# KiCad board GDI-STM.kicad_pcb (continued)
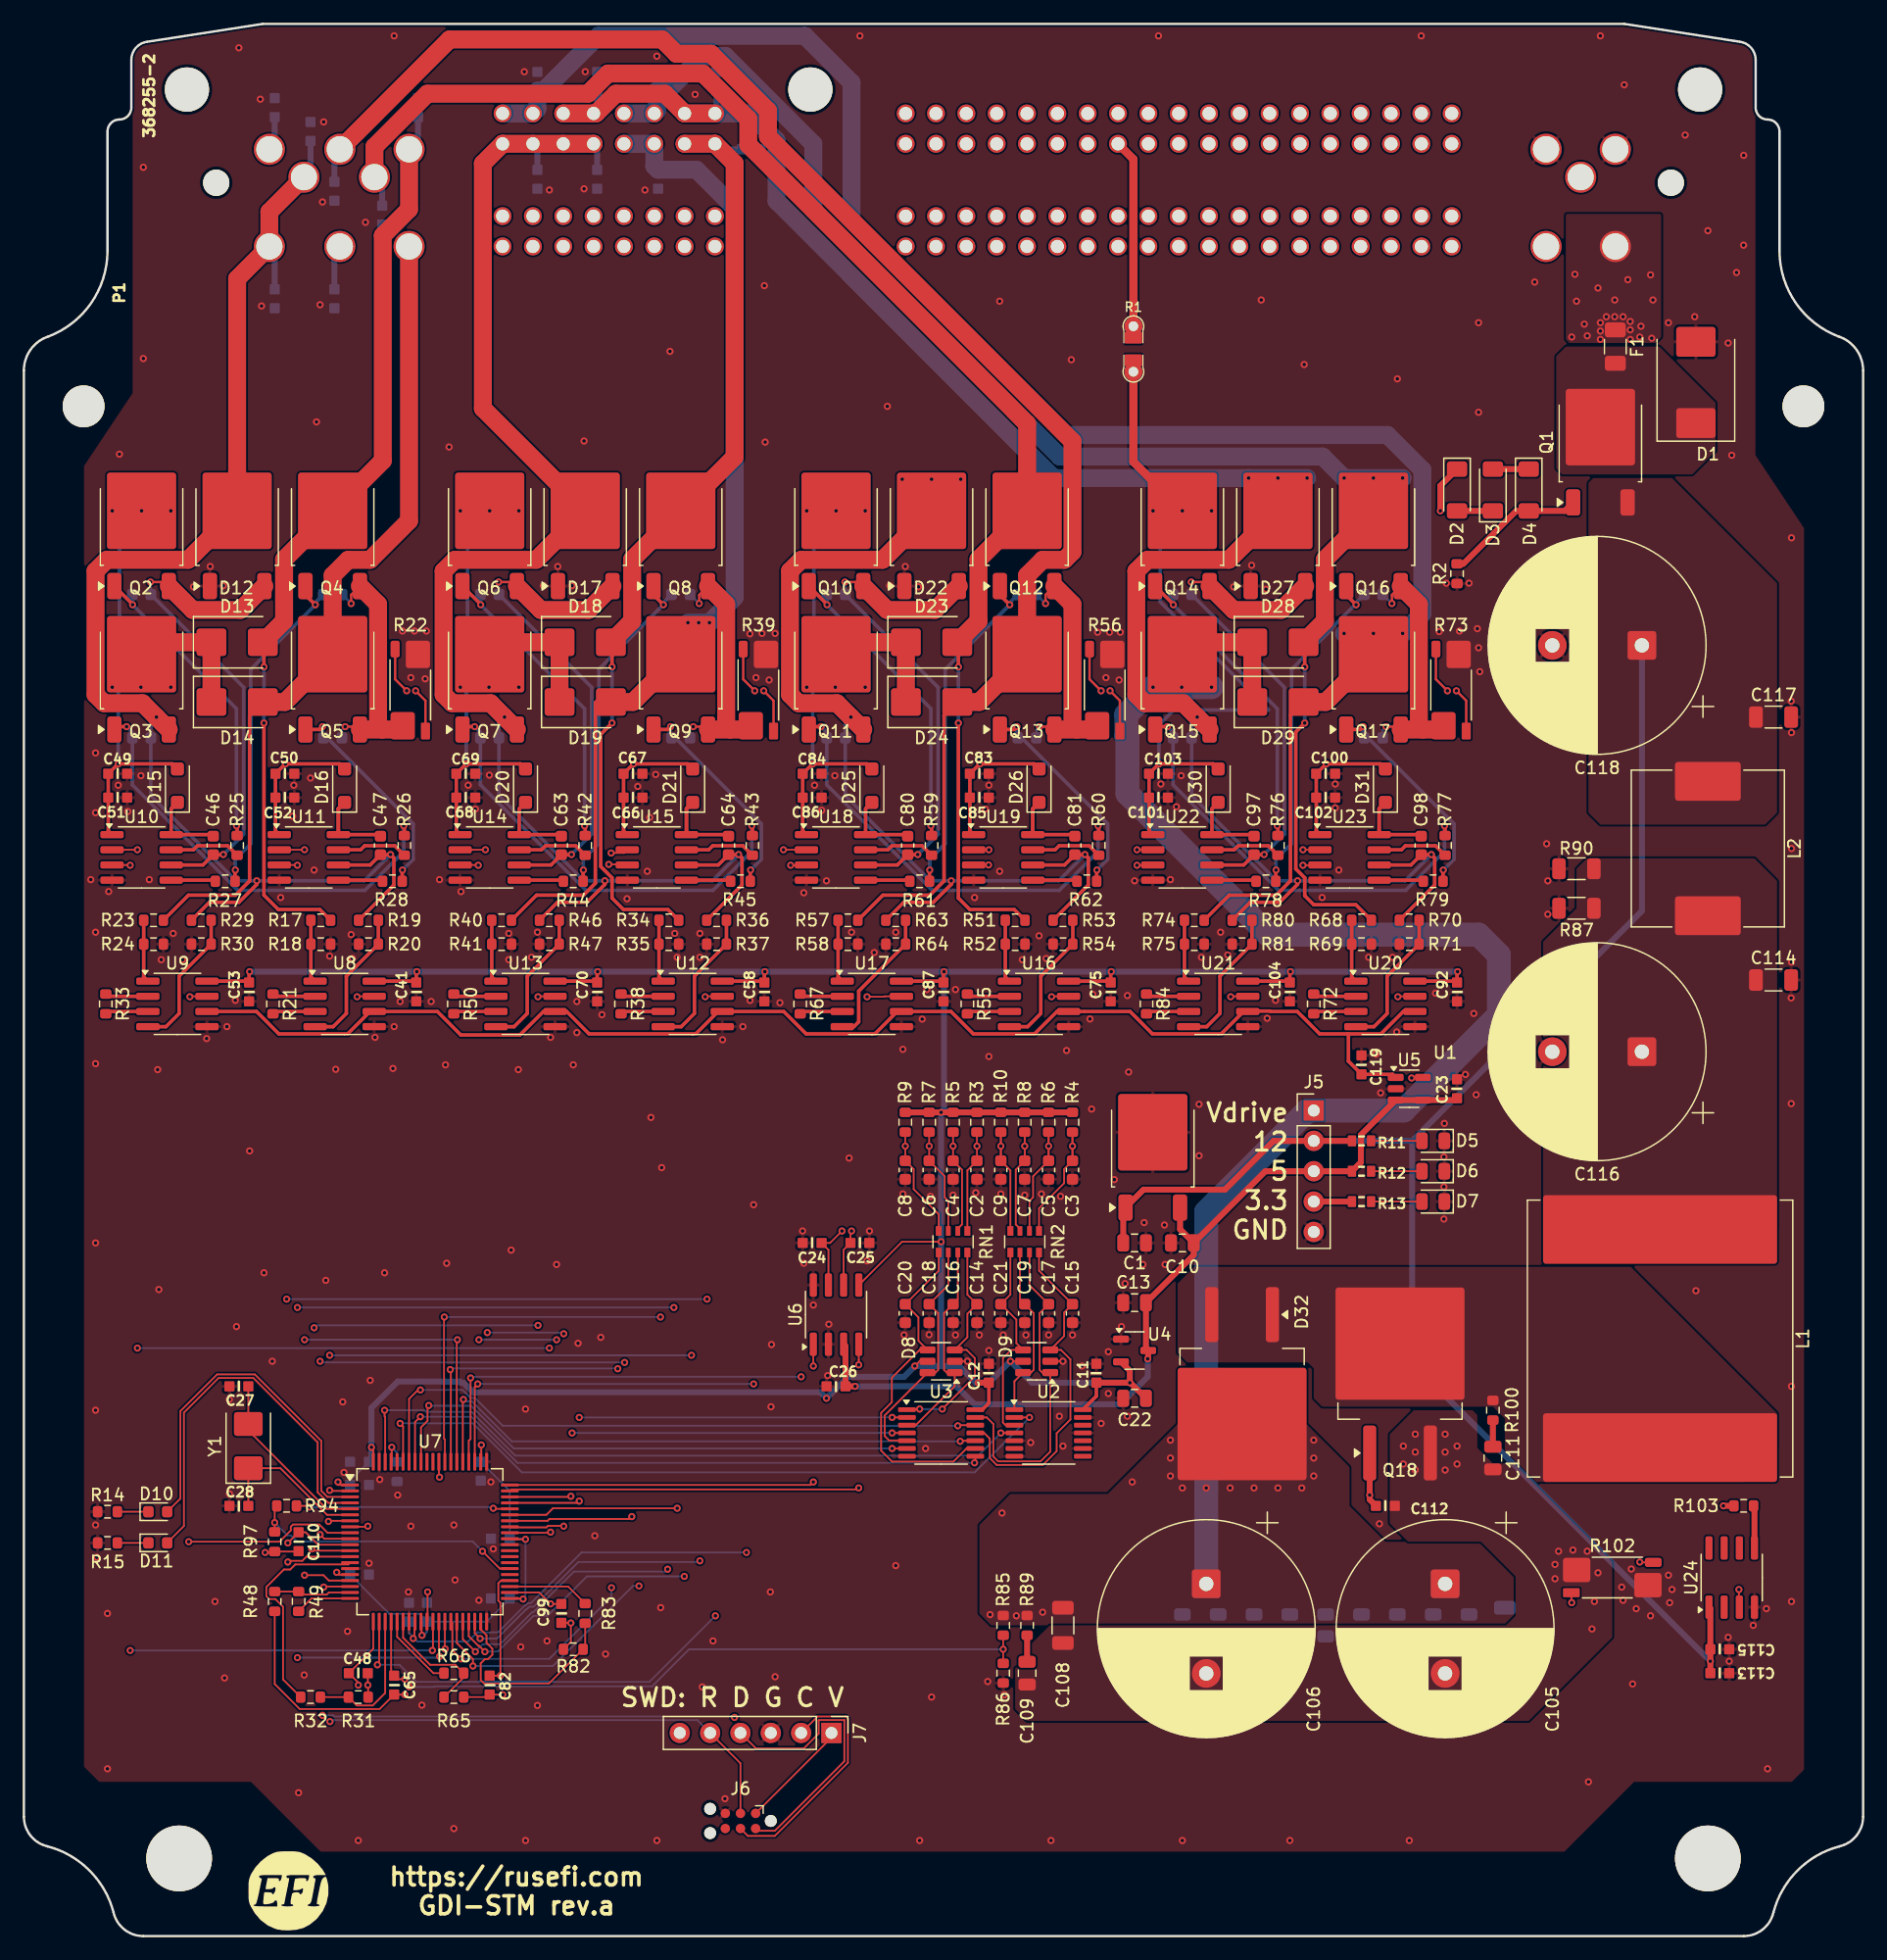
[diagram p0: board, top side]
## Library data of the parts
C1 C10 C13 C22 = -: LCSC: C15850
C2-C9 C14-C21 C42-C45 C59-C62 C76-C79 C93-C96 = -: LCSC: C106247; ki_fp_filters: C_*
C11 C12 C23 C26 C29 C31-C36 C41 C51-C53 C58 C68-C70 C75 C85-C87 C92 C102-C104 C115 C119 = -: LCSC: C14663
C24 C25 = -: LCSC: C1671
C27 C28 = -: LCSC: C38523
C30 = -: LCSC: C19666
C37-C40 C54-C57 C71-C74 C88-C91 = -: LCSC: C327158
C46 C47 C63 C64 C80 C81 C97 C98 = -: LCSC: C1615; ki_fp_filters: C_*
C48 C65 C82 C99 C110 = -: LCSC: C576850
C49 C50 C66 C67 C83 C84 C100 C101 C113 = -: LCSC: C15849
C105 C106 = -: LCSC: C160144; ki_fp_filters: CP_*
C107 C108 C114 C117 = -: LCSC: C106048; ki_fp_filters: C_*
C109 C111 = -: LCSC: C113837; ki_fp_filters: C_*
C112 = -: LCSC: C326973
C116 C118 = -: LCSC: C106661; ki_fp_filters: CP_*
D1 = -: LCSC: C151904; ki_fp_filters: TO-???* *_Diode_* *SingleDiode* D_*
D2-D4 = -: Datasheet: https://datasheet.lcsc.com/szlcsc/Semtech-ZMM5V6_C8062.pdf; LCSC: C7497481; ki_fp_filters: TO-???* *_Diode_* *SingleDiode* D_*
D5-D7 = -: Description: Light emitting diode, small symbol; LCSC: C2296; Sim.Pin: 1=K 2=A; ki_fp_filters: LED* LED_SMD:* LED_THT:*
D8 D9 = -: LCSC: C85364; ki_fp_filters: SOT?363*
D10 = -: Description: Light emitting diode; LCSC: C12624; Sim.Pins: 1=K 2=A; ki_fp_filters: LED* LED_SMD:* LED_THT:*
D11 = -: Description: Light emitting diode; LCSC: C2286; Sim.Pins: 1=K 2=A; ki_fp_filters: LED* LED_SMD:* LED_THT:*
D12 D17 D22 D27 = -: LCSC: C459529
D13 D14 D18 D19 D23 D24 D28 D29 = -: LCSC: C382826; ki_fp_filters: TO-???* *_Diode_* *SingleDiode* D_*
D15 D16 D20 D21 D25 D26 D30 D31 = -: Description: Diode; LCSC: C719809; ki_fp_filters: TO-???* *_Diode_* *SingleDiode* D_*
D32 = -: Description: Schottky diode, anode on pins 1 and 3; LCSC: C181034; ki_fp_filters: TO-???* *_Diode_* *SingleDiode* D_*
F1 = -: Description: Fuse; LCSC: C136357; ki_fp_filters: *Fuse*
J1-J4 = -: Description: Mounting Hole without connection; ki_fp_filters: MountingHole*
J5 = -: Description: Generic connector, single row, 01x05, script generated (kicad-library-utils/schlib/autogen/connector/); ki_fp_filters: Connector*:*_1x??_*
J6 = -: ki_fp_filters: Connector*:*_2x??_*
J7 = -: ki_fp_filters: Connector*:*_1x??_*
L1 = -: LCSC: C22378757; ki_fp_filters: Choke_* *Coil* Inductor_* L_*
L2 = -: LCSC: C7471128; ki_fp_filters: Choke_* *Coil* Inductor_* L_*
Q1 = -: LCSC: C400894; ki_fp_filters: TO?252*
Q2-Q17 = -: Description: N-MOSFET transistor, gate/drain/source; LCSC: C501515
Q18 = -: Description: N-MOSFET transistor, gate/drain/source; LCSC: C444895
R2 R16 = -: LCSC: C25804; Manufacturer: StackPole; Part #: RMCF0603JT10K0; VEND: DIGI; VEND#: RMCF0603JT10K0CT-ND; ki_fp_filters: R_*
R3-R10 R14 R15 R18 R20 R24 R30 R35 R37 R41 R47 R52 R54 R58 R64 R69 R71 R75 R81 R86 = -: LCSC: C21190; ki_fp_filters: R_*
R11 = -: LCSC: C23186
R12 = -: LCSC: C22847
R13 = -: LCSC: C23241
R17 R19 R23 R29 R34 R36 R40 R46 R51 R53 R57 R63 R68 R70 R74 R80 R85 = -: LCSC: C22878; ki_fp_filters: R_*
R21 R33 R38 R50 R55 R67 R72 R84 = -: ki_fp_filters: R_*
R22 R39 R56 R73 R102 = -: LCSC: C915978; ki_fp_filters: R_*Shunt*
R25-R28 R42-R45 R59-R62 R76-R79 R103 = -: LCSC: C22859; ki_fp_filters: R_*
R31 R48 R65 R82 R97 = -: LCSC: C22831; ki_fp_filters: R_*
R32 R49 R66 R83 R94 = -: LCSC: C25980; ki_fp_filters: R_*
R87 R90 = -: LCSC: C17944; ki_fp_filters: R_*
R88 R91-R93 R95 R96 R98 R99 R101 = -: LCSC: C17645; ki_fp_filters: R_*
R89 R100 = -: LCSC: C25197; ki_fp_filters: R_*
RN1 RN2 = -: Description: 4 resistor network, parallel topology; Part #: YC164-JR-0710KL; VEND#: YC164J-10KCT-ND; VEND: DIGI; Manufacturer: Yageo; LCSC: C29718; ki_fp_filters: DIP* SOIC* R*Array*Concave* R*Array*Convex* MSOP*
U1 = -: Datasheet: http://www.fairchildsemi.com/ds/LM/LM78M05.pdf; LCSC: C58069; ki_fp_filters: TO?252*
U2 U3 = -: Datasheet: http://www.ti.com/lit/gpn/sn74HC14; LCSC: C5606; ki_fp_filters: DIP*W7.62mm*
U4 = -: Datasheet: https://www.torexsemi.com/file/xc6206/XC6206.pdf; Description: Positive 60-250mA Low Dropout Regulator, Fixed Output, SOT-23; LCSC: C5446; ki_fp_filters: SOT?23?3*
U5 = -: Datasheet: https://www.ti.com/lit/ds/symlink/ref2033.pdf; Description: 3.3V Low-Drift, Low-Power, Dual-Output, VREF and VREF / 2 Voltage Reference, SOT-23-5; LCSC: C440747; ki_fp_filters: SOT?23*
U6 = -: Datasheet: http://www.nxp.com/docs/en/data-sheet/TJA1051.pdf; Description: High-Speed CAN Transceiver, separate VIO, silent mode, SOIC-8; LCSC: C38695; ki_fp_filters: SOIC*3.9x4.9mm*P1.27mm*
U7 = -: Datasheet: https://www.st.com/resource/en/datasheet/stm32g474mb.pdf; Description: STMicroelectronics Arm Cortex-M4 MCU, 128-512KB flash, 128KB RAM, 170 MHz, 1.71-3.6V, 66 GPIO, LQFP80; LCSC: C5270364; ki_fp_filters: LQFP*12x12mm*P0.5mm*
U8 U9 U12 U13 U16 U17 U20 U21 = -: Datasheet: https://www.ti.com/lit/gpn/ina826; Description: 4.7 MHz Bandwidth, Low Offset, Low-Power, Precision Instrumentation Amplifier, G = 1 + 49.4kOhm/Rg, 4.5 V to 36 V Supply, SOIC-8; LCSC: C38433; ki_fp_filters: SOIC*3.9x4.9mm*P1.27mm*
U10 U11 U14 U15 U18 U19 U22-U24 = -: Datasheet: http://www.infineon.com/dgdl/irs21867spbf.pdf?fileId=5546d462533600a4015356770e8327eb; Description: High and Low Side Driver, 600V, 4.0/4.0A, SOIC-8; LCSC: C52290; ki_fp_filters: SOIC*3.9x4.9mm*P1.27mm*
Y1 = -: Description: Two pin crystal; LCSC: C112566; ki_fp_filters: Crystal*

## Footprints (pads in the part's own frame, mm; a bottom-side part is the same pattern mirrored in y, then rotated)
C0603
  rrect 0.85x0.85 smd: 1(-0.79,0) 2(0.79,0)
C_0603_1608Metric
  rrect 0.9x0.95 smd: 1(-0.775,0) 2(0.775,0)
C_0805_2012Metric
  rrect 1x1.45 smd: 1(-0.95,0) 2(0.95,0)
C_1206_3216Metric
  rrect 1.15x1.8 smd: 1(-1.475,0) 2(1.475,0)
CP_Radial_D18.0mm_P7.50mm
  rrect 2.4x2.4 hole 1.2: 1(0,0)
  round 2.4 hole 1.2: 2(7.5,0)
Crystal_SMD_5032-2Pin_5.0x3.2mm
  rrect 2x2.4 smd: 1(-1.85,0) 2(1.85,0)
D_MiniMELF
  rrect 1.3x1.7 smd: 1(-1.75,0) 2(1.75,0)
D_SMB
  rrect 2.5x2.3 smd: 1(-2.15,0) 2(2.15,0)
D_SMC
  rrect 2.5x3.3 smd: 1(-3.4,0) 2(3.4,0)
D_SOD-123F
  rrect 1.1x1.1 smd: 1(-1.4,0) 2(1.4,0)
Fuse_1206_3216Metric
  rrect 1.25x1.75 smd: 1(-1.4,0) 2(1.4,0)
L_Changjiang_FXL1360
  rrect 3.25x5.5 smd: 1(-5.625,0) 2(5.625,0)
L_Changjiang_FXL2213
  rrect 5.75x19.6 smd: 1(-9.125,0) 2(9.125,0)
LED_0603_1608Metric
  rrect 0.875x0.95 smd: 1(-0.787,0) 2(0.787,0)
LED_0805_2012Metric
  rrect 0.975x1.4 smd: 1(-0.938,0) 2(0.938,0)
LQFP-80_12x12mm_P0.5mm
  rrect 1.475x0.25 smd: 1(-6.688,4.75) 2(-6.688,4.25) 3(-6.688,3.75) 4(-6.688,3.25) 5(-6.688,2.75) 6(-6.688,2.25) 7(-6.688,1.75) 8(-6.688,1.25) 9(-6.688,0.75) 10(-6.688,0.25) 11(-6.688,-0.25) 12(-6.688,-0.75) 13(-6.688,-1.25) 14(-6.688,-1.75) 15(-6.688,-2.25) 16(-6.688,-2.75) 17(-6.688,-3.25) 18(-6.688,-3.75) 19(-6.688,-4.25) 20(-6.688,-4.75) 41(6.688,-4.75) 42(6.688,-4.25) 43(6.688,-3.75) 44(6.688,-3.25) 45(6.688,-2.75) 46(6.688,-2.25) 47(6.688,-1.75) 48(6.688,-1.25) 49(6.688,-0.75) 50(6.688,-0.25) 51(6.688,0.25) 52(6.688,0.75) 53(6.688,1.25) 54(6.688,1.75) 55(6.688,2.25) 56(6.688,2.75) 57(6.688,3.25) 58(6.688,3.75) 59(6.688,4.25) 60(6.688,4.75)
  rrect 0.25x1.475 smd: 21(-4.75,-6.688) 22(-4.25,-6.688) 23(-3.75,-6.688) 24(-3.25,-6.688) 25(-2.75,-6.688) 26(-2.25,-6.688) 27(-1.75,-6.688) 28(-1.25,-6.688) 29(-0.75,-6.688) 30(-0.25,-6.688) 31(0.25,-6.688) 32(0.75,-6.688) 33(1.25,-6.688) 34(1.75,-6.688) 35(2.25,-6.688) 36(2.75,-6.688) 37(3.25,-6.688) 38(3.75,-6.688) 39(4.25,-6.688) 40(4.75,-6.688) 61(4.75,6.688) 62(4.25,6.688) 63(3.75,6.688) 64(3.25,6.688) 65(2.75,6.688) 66(2.25,6.688) 67(1.75,6.688) 68(1.25,6.688) 69(0.75,6.688) 70(0.25,6.688) 71(-0.25,6.688) 72(-0.75,6.688) 73(-1.25,6.688) 74(-1.75,6.688) 75(-2.25,6.688) 76(-2.75,6.688) 77(-3.25,6.688) 78(-3.75,6.688) 79(-4.25,6.688) 80(-4.75,6.688)
MountingHole_3.5mm
  round 3.5 hole 3.5 unplated: (0,0)
MountingHole_5.5mm
  round 5.5 hole 5.5 unplated: (0,0)
PAD-0805-PAD
  round 1.524 hole 0.813: 1(-1.905,0) 2(1.905,0)
  rrect 1x1.45 smd: 1(-0.95,0) 2(0.95,0)
PinHeader_1x05_P2.54mm_Vertical
  rect 1.7x1.7 hole 1: 1(0,0)
  round 1.7 hole 1: 2(0,-2.54) 3(0,-5.08) 4(0,-7.62) 5(0,-10.16)
PinHeader_1x06_P2.54mm_Vertical
  rect 1.7x1.7 hole 1: 1(0,0)
  round 1.7 hole 1: 2(0,-2.54) 3(0,-5.08) 4(0,-7.62) 5(0,-10.16) 6(0,-12.7)
R0603
  rrect 0.7x0.92 smd: 1(-0.8,0) 2(0.8,0)
R_0603_1608Metric
  rrect 0.8x0.95 smd: 1(-0.825,0) 2(0.825,0)
R_0805_2012Metric
  rrect 1.025x1.4 smd: 1(-0.912,0) 2(0.912,0)
R_1206_3216Metric
  rrect 1.125x1.75 smd: 1(-1.462,0) 2(1.462,0)
R_Array_Convex_4x0603
  rect 0.8x0.5 smd: 1(-0.9,1.2) 4(-0.9,-1.2) 5(0.9,-1.2) 8(0.9,1.2)
  rect 0.8x0.4 smd: 2(-0.9,0.4) 3(-0.9,-0.4) 6(0.9,-0.4) 7(0.9,0.4)
R_Shunt_Vishay_WSK2512_6332Metric_T1.19mm
  rrect 2.29x2.03 smd: 1(-2.985,0.635) 4(2.985,-0.635)
  rrect 1.4x0.76 smd: 2(-3.43,-1.27) 3(3.43,1.27)
SOIC-8_3.9x4.9mm_P1.27mm
  rrect 1.95x0.6 smd: 1(-2.475,1.905) 2(-2.475,0.635) 3(-2.475,-0.635) 4(-2.475,-1.905) 5(2.475,-1.905) 6(2.475,-0.635) 7(2.475,0.635) 8(2.475,1.905)
SOT-23-3
  rrect 1.325x0.6 smd: 1(-1.137,0.95) 2(-1.137,-0.95) 3(1.137,0)
SOT-23-5
  rrect 1.325x0.6 smd: 1(-1.137,0.95) 2(-1.137,0) 3(-1.137,-0.95) 4(1.137,-0.95) 5(1.137,0.95)
SOT-23-6
  rrect 1.325x0.6 smd: 1(-1.137,0.95) 2(-1.137,0) 3(-1.137,-0.95) 4(1.137,-0.95) 5(1.137,0) 6(1.137,0.95)
Tag-Connect_TC2030-IDC-NL_2x03_P1.27mm_Vertical
  round 0.991 hole 0.991 unplated: (-2.54,0) (2.54,1.016) (2.54,-1.016)
  round 0.787 smd: 1(-1.27,-0.635) 2(-1.27,0.635) 3(0,-0.635) 4(0,0.635) 5(1.27,-0.635) 6(1.27,0.635)
TE_368255-2
  round 3.7 hole 3.7 unplated: (-6.84,13.13) (45.36,13.13) (119.86,13.13)
  round 2.2 hole 2.2 unplated: (-4.39,5.33) (117.41,5.33)
  round 2.6 hole 2.2: 1(112.76,8.13) 2(106.96,8.13) 3(109.86,5.8) 4(112.76,0) 5(106.96,0) 114(11.76,8.13) 115(5.96,8.13) 116(0.06,8.13) 117(8.86,5.8) 118(2.96,5.8) 119(11.76,0) 120(5.96,0) 121(0.06,0)
  round 1.5 hole 1.1: 6(53.34,0) 7(55.88,0) 8(58.42,0) 9(60.96,0) 10(63.5,0) 11(66.04,0) 12(68.58,0) 13(71.12,0) 14(73.66,0) 15(76.2,0) 16(78.74,0) 17(81.28,0) 18(83.82,0) 19(86.36,0) 20(88.9,0) 21(91.44,0) 22(93.98,0) 23(96.52,0) 24(99.06,0) 25(53.34,2.54) 26(55.88,2.54) 27(58.42,2.54) 28(60.96,2.54) 29(63.5,2.54) 30(66.04,2.54) 31(68.58,2.54) 32(71.12,2.54) 33(73.66,2.54) 34(76.2,2.54) 35(78.74,2.54) 36(81.28,2.54) 37(83.82,2.54) 38(86.36,2.54) 39(88.9,2.54) 40(91.44,2.54) 41(93.98,2.54) 42(96.52,2.54) 43(99.06,2.54) 44(53.34,8.59) 45(55.88,8.59) 46(58.42,8.59) 47(60.96,8.59) 48(63.5,8.59) 49(66.04,8.59) 50(68.58,8.59) 51(71.12,8.59) 52(73.66,8.59) 53(76.2,8.59) 54(78.74,8.59) 55(81.28,8.59) 56(83.82,8.59) 57(86.36,8.59) 58(88.9,8.59) 59(91.44,8.59) 60(93.98,8.59) 61(96.52,8.59) 62(99.06,8.59) 63(53.34,11.13) 64(55.88,11.13) 65(58.42,11.13) 66(60.96,11.13) 67(63.5,11.13) 68(66.04,11.13) 69(68.58,11.13) 70(71.12,11.13) 71(73.66,11.13) 72(76.2,11.13) 73(78.74,11.13) 74(81.28,11.13) 75(83.82,11.13) 76(86.36,11.13) 77(88.9,11.13) 78(91.44,11.13) 79(93.98,11.13) 80(96.52,11.13) 81(99.06,11.13) 82(37.37,11.13) 83(34.83,11.13) 84(32.29,11.13) 85(29.75,11.13) 86(27.21,11.13) 87(24.67,11.13) 88(22.13,11.13) 89(19.59,11.13) 90(37.37,8.59) 91(34.83,8.59) 92(32.29,8.59) 93(29.75,8.59) 94(27.21,8.59) 95(24.67,8.59) 96(22.13,8.59) 97(19.59,8.59) 98(37.37,2.54) 99(34.83,2.54) 100(32.29,2.54) 101(29.75,2.54) 102(27.21,2.54) 103(24.67,2.54) 104(22.13,2.54) 105(19.59,2.54) 106(37.37,0) 107(34.83,0) 108(32.29,0) 109(29.75,0) 110(27.21,0) 111(24.67,0) 112(22.13,0) 113(19.59,0)
TO-252-2
  rrect 3.05x2.75 smd: (-0.415,1.525) (-0.415,-1.525) (2.935,1.525) (2.935,-1.525)
  rrect 2.2x1.2 smd: 1(-5.04,2.28) 3(-5.04,-2.28)
  rrect 6.4x5.8 smd: 2(1.26,0)
TO-263-2
  rrect 4.55x5.25 smd: (-0.925,2.775) (-0.925,-2.775) (3.925,2.775) (3.925,-2.775)
  rrect 4.6x1.1 smd: 1(-7.65,2.54) 3(-7.65,-2.54)
  rrect 9.4x10.8 smd: 2(1.5,0)
TSSOP-14_4.4x5mm_P0.65mm
  rrect 1.475x0.4 smd: 1(-2.862,1.95) 2(-2.862,1.3) 3(-2.862,0.65) 4(-2.862,0) 5(-2.862,-0.65) 6(-2.862,-1.3) 7(-2.862,-1.95) 8(2.862,-1.95) 9(2.862,-1.3) 10(2.862,-0.65) 11(2.862,0) 12(2.862,0.65) 13(2.862,1.3) 14(2.862,1.95)

## Nets
+3V3: C11.2 C12.2 C22.2 C30.2 C31.2 C32.2 C33.2 C34.2 C35.2 C36.2 C41.2 C53.2 C58.2 C70.2 C75.2 C87.2 C92.2 C104.2 D8.5 D9.5 J5.4 J6.1 J7.1 R3.1 R4.1 R5.1 R6.1 R7.1 R8.1 R9.1 R10.1 R13.2 U2.14 U3.14 U4.2 U6.5 U7.1 U7.16 U7.29 U7.41 U7.51 U7.62 U7.80 U8.8 U9.8 U12.8 U13.8 U16.8 U17.8 U20.8 U21.8
+5V: C10.2 C13.2 C23.2 C26.2 J5.3 P1.11 P1.30 R12.2 U1.3 U4.3 U5.3 U5.4 U6.3
/+12V_C: F1.1 P1.4
/Vinj1: U7.8 U8.7
/Vinj2: U7.9 U9.7
/Vinj3: U7.10 U12.7
/Vinj4: U7.12 U13.7
/Vinj5: U7.13 U16.7
/Vinj6: U7.17 U17.7
/Vinj7: U7.18 U20.7
/Vinj8: U7.22 U21.7
/VinM1: R31.1 R32.2 U7.23
/VinM2: R48.1 R49.2 U7.19
/VinM3: R65.1 R66.2 U7.26
/VinM4: R82.1 R83.2 U7.39
/VinMboost: R94.2 R97.1 U7.46
/VinP1: C48.2 R22.2 U7.21
/VinP2: C65.2 R39.2 U7.24
/VinP3: C82.2 R56.2 U7.44
/VinP4: C99.2 R73.2 U7.42
/VinPboost: C110.2 R102.2 U7.11
GND: C1.1 C2.1 C3.1 C4.1 C5.1 C6.1 C7.1 C8.1 C9.1 C10.1 C11.1 C12.1 C13.1 C14.1 C15.1 C16.1 C17.1 C18.1 C19.1 C20.1 C21.1 C22.1 C23.1 C24.2 C25.1 C26.1 C27.2 C28.1 C29.1 C30.1 C31.1 C32.1 C33.1 C34.1 C35.1 C36.1 C37.1 C38.1 C39.1 C40.1 C41.1 C49.1 C50.1 C51.1 C52.1 C53.1 C54.1 C55.1 C56.1 C57.1 C58.1 C66.1 C67.1 C68.1 C69.1 C70.1 C71.1 C72.1 C73.1 C74.1 C75.1 C83.1 C84.1 C85.1 C86.1 C87.1 C88.1 C89.1 C90.1 C91.1 C92.1 C100.1 C101.1 C102.1 C103.1 C104.1 C113.1 C114.2 C115.1 C116.2 C117.2 C118.2 C119.1 D1.2 D5.1 D6.1 D7.1 D8.2 D9.2 D12.1 D17.1 D22.1 D27.1 J5.5 J6.5 J7.3 P1.1 P1.2 R2.1 R14.1 R15.2 R16.2 R18.2 R20.2 R22.4 R24.2 R30.2 R35.2 R37.2 R39.4 R41.2 R47.2 R52.2 R54.2 R56.4 R58.2 R64.2 R69.2 R71.2 R73.4 R75.2 R81.2 R86.2 R87.2 R90.2 R102.4 U1.2 U2.5 U2.7 U2.9 U2.11 U2.13 U3.7 U4.1 U5.2 U6.2 U6.8 U7.15 U7.27 U7.40 U7.50 U7.61 U7.79 U8.5 U9.5 U10.4 U11.4 U12.5 U13.5 U14.4 U15.4 U16.5 U17.5 U18.4 U19.4 U20.5 U21.5 U22.4 U23.4 U24.4
+BATT: C1.2 C49.2 C50.2 C51.2 C52.2 C66.2 C67.2 C68.2 C69.2 C83.2 C84.2 C85.2 C86.2 C100.2 C101.2 C102.2 C103.2 C113.2 C115.2 C117.1 C118.1 D2.1 D15.2 D16.2 D20.2 D21.2 D25.2 D26.2 D30.2 D31.2 J5.2 L2.1 Q1.3 Q2.2 Q6.2 Q10.2 Q14.2 R1.2 R11.2 U1.1 U10.1 U11.1 U14.1 U15.1 U18.1 U19.1 U22.1 U23.1 U24.1
/BANK1/REF: C119.2 U5.1 U8.6 U9.6 U12.6 U13.6 U16.6 U17.6 U20.6 U21.6
/BOOST/+Batt_filtered: C114.1 C116.1 L1.1 L2.2 R87.1 R90.1
/BOOST/Vdrive_coil: D32.1 D32.3 L1.2 Q18.2 R100.2
/BOOST/Vdrive_shunt: C105.2 C106.2 C107.2 C108.2 C109.2 C111.2 C112.1 Q18.3 R88.2 R91.2 R92.2 R93.2 R95.2 R96.2 R98.2 R99.2 R101.2 R102.1
/BOOST_PWM: U7.69 U24.3
/Boot0: R16.1 U7.77
/CAN_H: C24.1 P1.52 U6.7
/CAN_L: C25.2 P1.53 U6.6
/CAN_RX: U6.4 U7.59
/CAN_TX: U6.1 U7.60
/H1: C37.2 C38.2 C43.1 C47.2 D12.2 P1.118 P1.121 Q3.3 R19.1 R29.1 U11.6
/H3: C54.2 C55.2 C60.1 C64.2 D17.2 P1.94 P1.95 P1.96 P1.97 Q7.3 R36.1 R46.1 U15.6
/H5: C71.2 C72.2 C77.1 C81.2 D22.2 P1.116 P1.120 Q11.3 R53.1 R63.1 U19.6
/H7: C88.2 C89.2 C94.1 C98.2 D27.2 P1.82 P1.83 P1.86 P1.87 Q15.3 R70.1 R80.1 U23.6
/HS_VBAT1: U7.52 U10.2
/HS_VBAT2: U7.53 U14.2
/HS_VBAT3: U7.54 U18.2
/HS_VBAT4: U7.55 U22.2
/HS_VBOOST1: U7.66 U11.2
/HS_VBOOST2: U7.67 U15.2
/HS_VBOOST3: U7.68 U19.2
/HS_VBOOST4: U7.2 U23.2
/IN_INJ1: C2.2 P1.44 R3.2 RN1.1
/IN_INJ2: C4.2 P1.48 R5.2 RN1.2
/IN_INJ3: C6.2 P1.46 R7.2 RN1.3
/IN_INJ4: C8.2 P1.49 R9.2 RN1.4
/IN_INJ5: C3.2 P1.45 R4.2 RN2.1
/IN_INJ6: C5.2 P1.47 R6.2 RN2.2
/IN_PUMP1: C9.2 P1.41 R10.2 RN2.4
/IN_PUMP2: C7.2 P1.40 R8.2 RN2.3
/INJ1: U7.31 U10.3
/INJ2: U7.32 U11.3
/INJ3: U7.33 U14.3
/INJ4: U7.34 U15.3
/INJ5: U7.35 U18.3
/INJ6: U7.36 U19.3
/INJ7: U7.37 U22.3
/INJ8: U7.38 U23.3
/L1: C39.2 D13.2 P1.114 Q4.2 R17.1
/L2: C40.2 D14.2 P1.119 Q5.2 R23.1
/L3: C56.2 D18.2 P1.90 P1.91 Q8.2 R34.1
/L4: C57.2 D19.2 P1.92 P1.93 Q9.2 R40.1
/L5: C73.2 D23.2 P1.117 Q12.2 R51.1
/L6: C74.2 D24.2 P1.115 Q13.2 R57.1
/L7: C90.2 D28.2 P1.84 P1.85 Q16.2 R68.1
/L8: C91.2 D29.2 P1.88 P1.89 Q17.2 R74.1
/nRESET: J6.3 J7.5 U7.7
/START1: U3.2 U7.57
/START2: U3.4 U7.58
/START3: U3.6 U7.72
/START4: U3.8 U7.73
/START5: U3.10 U7.65
/START6: U3.12 U7.74
/START7: U2.2 U7.75
/START8: U2.4 U7.78
/SWCLK: J6.4 J7.2 U7.64
/SWDIO: J6.2 J7.4 U7.63
/Vboost: R85.2 R86.1 U7.30
/Vo1: R32.1 U7.14
/Vo2: R49.1 U7.20
/Vo3: R66.1 U7.25
/Vo4: R83.1 U7.43
/Voboost: R94.1 U7.56
Vdrive: C105.1 C106.1 C107.1 C108.1 D13.1 D14.1 D18.1 D19.1 D23.1 D24.1 D28.1 D29.1 D32.2 J5.1 Q3.2 Q7.2 Q11.2 Q15.2 R85.1 R88.1 R89.2 R91.1 R92.1 R93.1 R95.1 R96.1 R98.1 R99.1 R101.1
Net-(C48-Pad1): C48.1 R22.3 R31.2
Net-(C65-Pad1): C65.1 R39.3 R48.2
Net-(C82-Pad1): C82.1 R56.3 R65.2
Net-(C99-Pad1): C99.1 R73.3 R82.2
Net-(C109-Pad1): C109.1 R89.1
Net-(C110-Pad1): C110.1 R97.2 R102.3
Net-(C111-Pad1): C111.1 R100.1
Net-(D1-A1): D1.1 F1.2 Q1.2
Net-(D2-A): D2.2 D3.1
Net-(D3-A): D3.2 D4.1
Net-(D4-A): D4.2 Q1.1 R2.2
Net-(D5-A): D5.2 R11.1
Net-(D6-A): D6.2 R12.1
Net-(D7-A): D7.2 R13.1
Net-(D10-A): D10.2 U7.3
Net-(D10-K): D10.1 R14.2
Net-(D11-A): D11.2 U7.4
Net-(D11-K): D11.1 R15.1
Net-(D15-K): C46.1 D15.1 U10.8
Net-(D16-K): C47.1 D16.1 U11.8
Net-(D20-K): C63.1 D20.1 U14.8
Net-(D21-K): C64.1 D21.1 U15.8
Net-(D25-K): C80.1 D25.1 U18.8
Net-(D26-K): C81.1 D26.1 U19.8
Net-(D30-K): C97.1 D30.1 U22.8
Net-(D31-K): C98.1 D31.1 U23.8
Net-(P1-Pad51): P1.51 R1.1
Net-(Q2-G): C42.2 Q2.1 R25.2
Net-(Q2-S): C42.1 C46.2 D12.3 Q2.3 U10.6
Net-(Q3-G): C43.2 Q3.1 R26.2
Net-(Q4-G): C44.2 Q4.1 R27.2
Net-(Q4-S): C44.1 C45.1 Q4.3 Q5.3 R22.1
Net-(Q5-G): C45.2 Q5.1 R28.2
Net-(Q6-G): C59.2 Q6.1 R42.2
Net-(Q6-S): C59.1 C63.2 D17.3 Q6.3 U14.6
Net-(Q7-G): C60.2 Q7.1 R43.2